# Altium PCB MB1419.PcbDoc (part 4 of 5)
Units mm, origin at the board's own origin, x right, y up, seen from the top; angles counter-clockwise.
Board outline 31 x 41 mm, 8 copper layers (Top Layer, Signal Layer 1, Signal Layer 2, Signal Layer 3, Signal Layer 4, Signal Layer 5, Signal Layer 6, Bottom Layer), stack 1.536 mm thick; 212 components, 125 nets, 637 pads, 2170 vias.
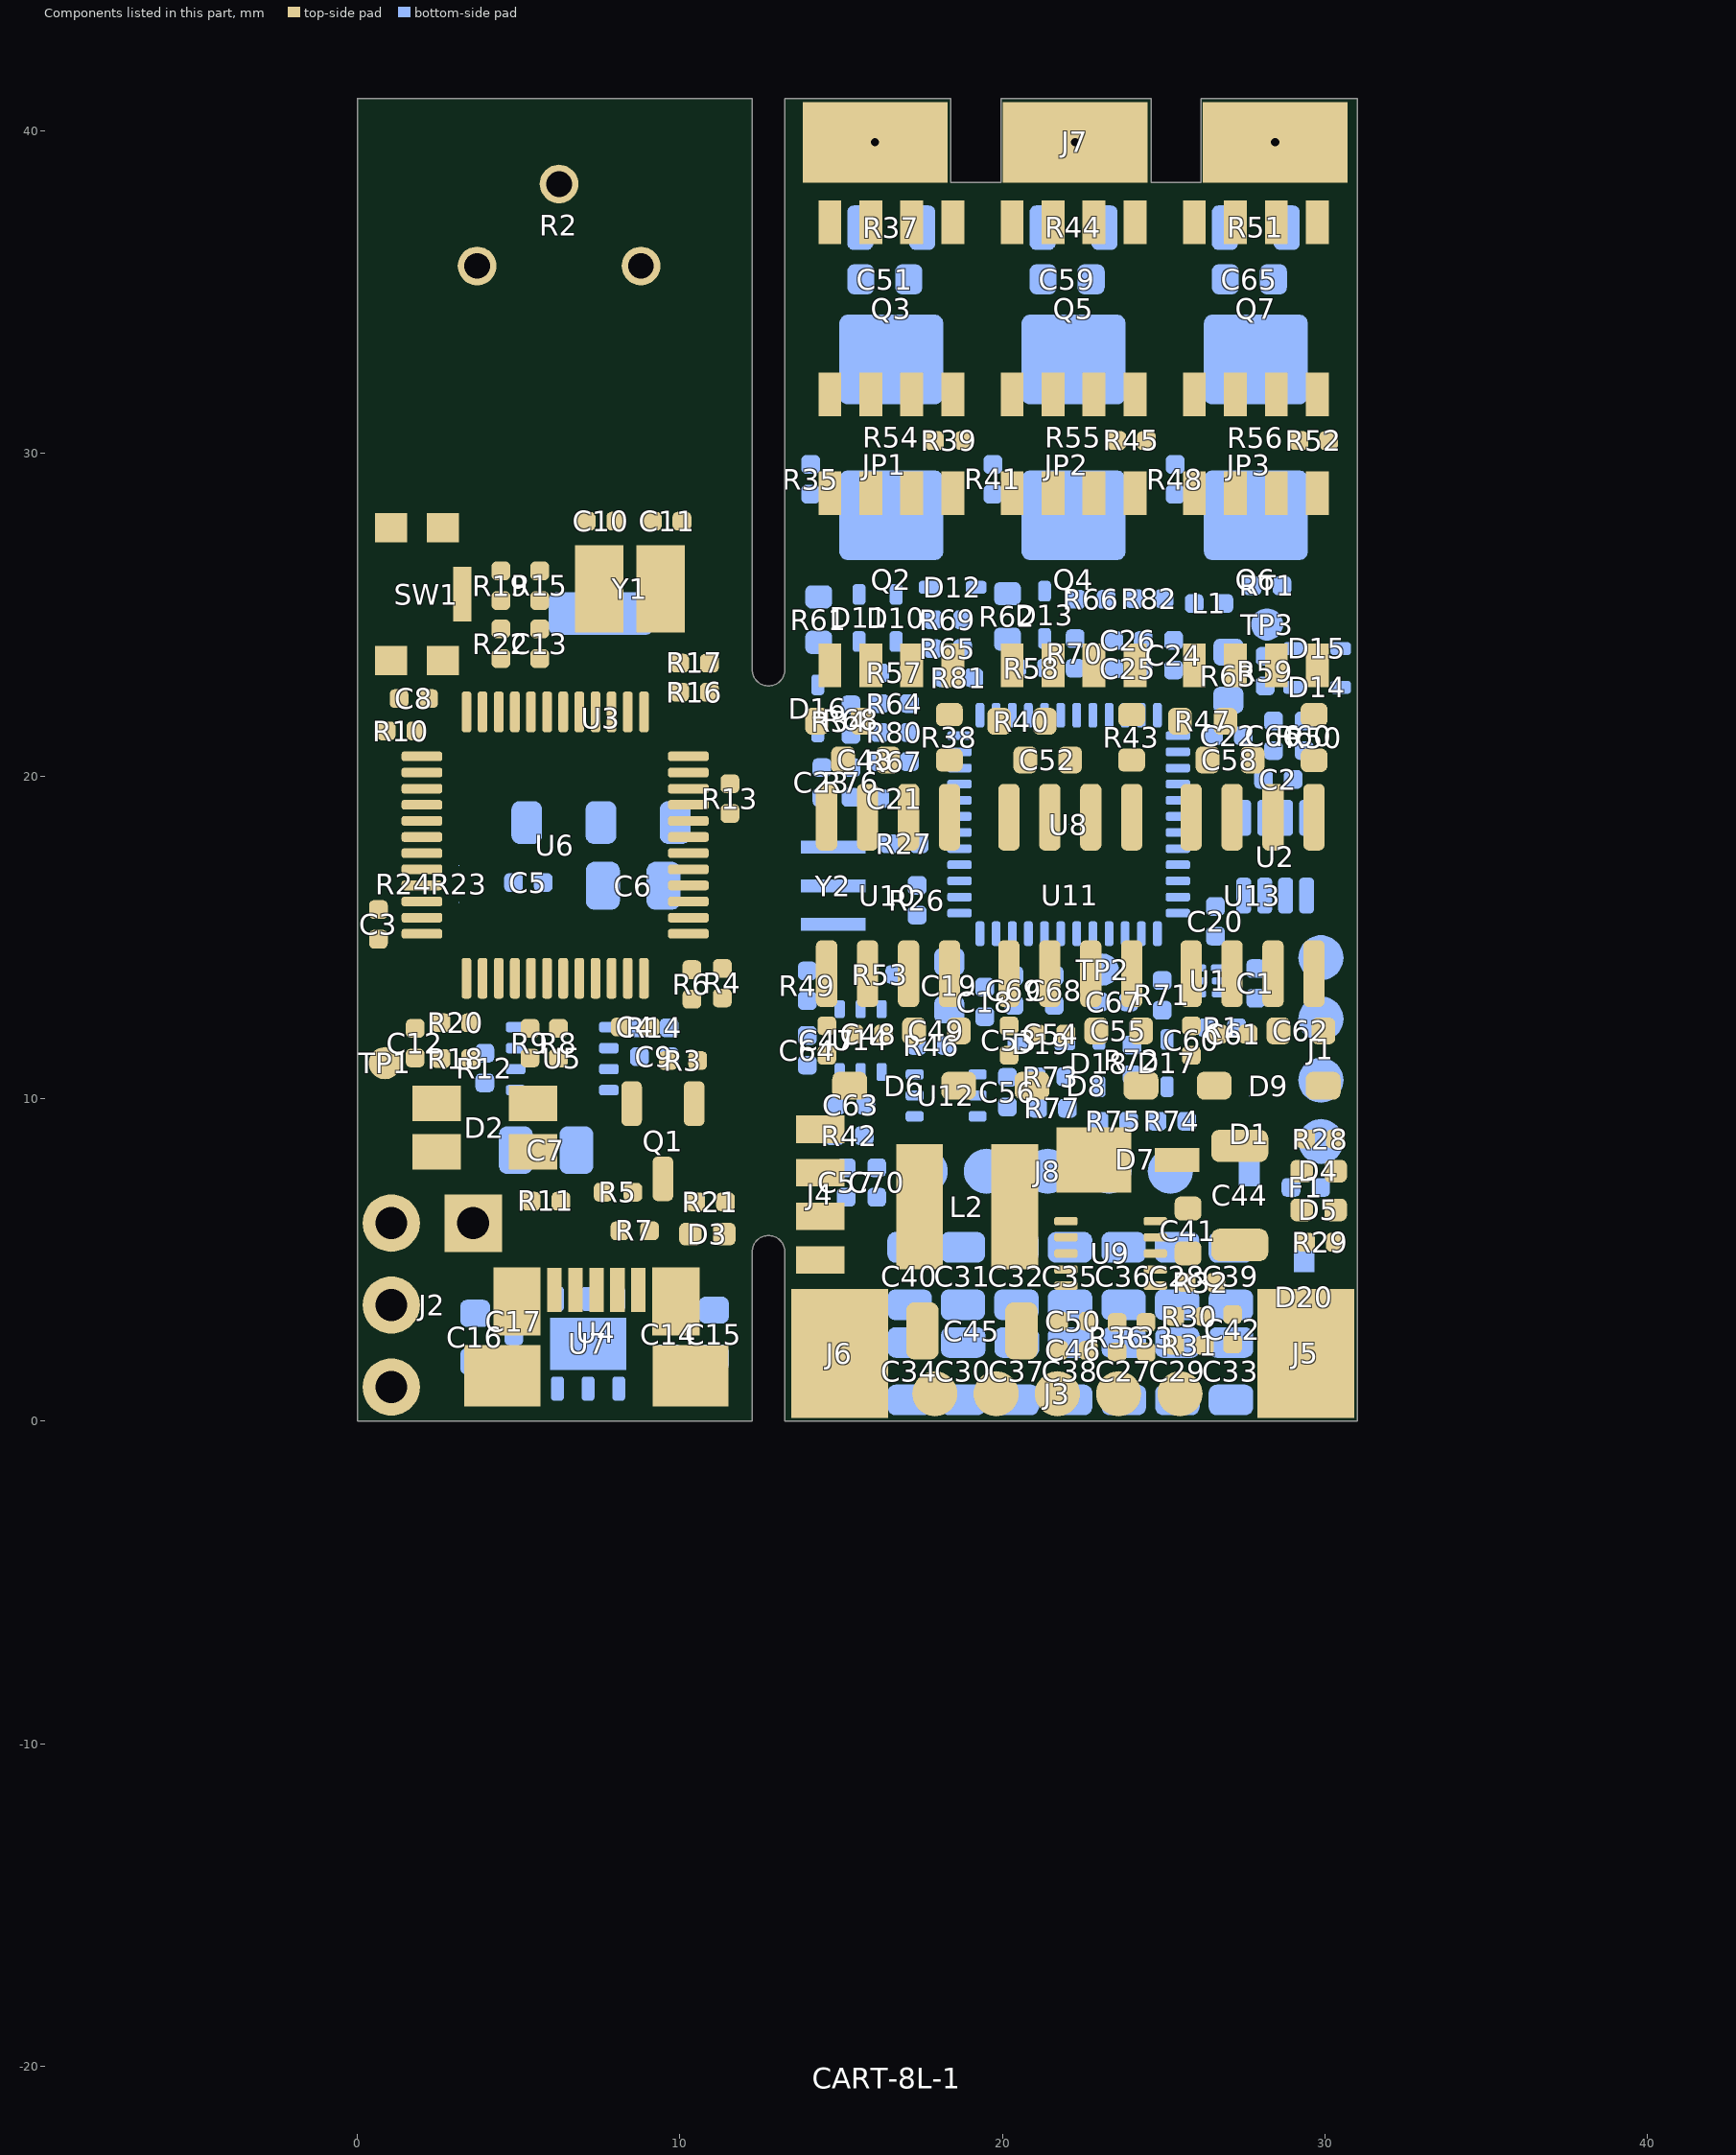
[diagram p10: the components of this part, seen from the top]

## Polygon pours and split planes (outlines as drawn) (continued)
+5V on Bottom Layer "+5V_L08_P072" (solid, pour order 72): 11.5,9.05 12.25,9.05 12.3,9 12.3,8.45 12.25,8.4 11.55,8.4 11.45,8.5 11.45,9 11.5,9.05
+5V on Bottom Layer "+5V_L08_P074" (solid, pour order 74): 13.3,7.7 14.05,7.7 14.2,7.85 14.2,8.75 14,8.95 13.3,8.95 13.2,8.85 13.2,7.8 13.3,7.7
USART2_RX on Top Layer "USART2_RX_L01_P076" (solid, pour order 76): 42 vertices, not listed, extent 21,0.075 22.4,1.575
USART2_RX_ST_LINK on Top Layer "USART2_RX_ST_LINK_L01_P078" (solid, pour order 78): 42 vertices, not listed, extent 19.1,0.075 20.5,1.575
+3.3V on Top Layer "+3.3V_L01_P080" (solid, pour order 80): 13.4,6.75 13.4,5.95 15.55,5.95 15.55,6.75 13.4,6.75
GND on Top Layer "GND_L01_P082" (solid, pour order 82): 24.75,7.8 24.75,8.8 24.95,9 28.05,9 28.15,8.9 28.15,7.9 27.85,7.6 24.95,7.6 24.75,7.8
GND on Top Layer "GND_L01_P084" (solid, pour order 84): 42 vertices, not listed, extent 24.8,0.075 26.2,1.575
GND on Top Layer "GND_L01_P086" (solid, pour order 86): 21.1,3.55 21.1,2.1 21,2 19.85,2 19.75,2.1 19.75,3.5 19.85,3.6 21.05,3.6 21.1,3.55
GND on Top Layer "GND_L01_P088" (solid, pour order 88): 13.375,5.4 13.375,4.6 15.525,4.6 15.525,5.4 13.375,5.4
GND on Top Layer "GND_L01_P090" (solid, pour order 90): 13.35,5.3 13.35,0.1 16.45,0.1 16.45,4.2 15.25,5.4 13.45,5.4 13.35,5.3
NetD7_C on Top Layer "NETD7_C_L01_P092" (solid, pour order 92): 23.95,9.1 21.75,9.1 21.25,8.6 19.65,8.6 19.65,5.6 22.25,5.6 22.25,6.9 22.35,7 23.95,7 23.95,9.1
V+ on Top Layer "V+_L01_P094" (solid, pour order 94): 19 vertices, not listed, extent 24.45,0.1 30.85,7
V+ on Top Layer "V+_L01_P096" (solid, pour order 96): 19.3,27.3 19.3,22.7 25,22.7 25,27.3 19.3,27.3
V+ on Top Layer "V+_L01_P098" (solid, pour order 98): 24.95,27.3 24.95,22.7 30.65,22.7 30.65,27.3 24.95,27.3
V+ on Top Layer "V+_L01_P100" (solid, pour order 100): 13.65,27.3 13.65,22.7 19.35,22.7 19.35,27.3 13.65,27.3
"VSHUNT_2 +" on Top Layer "VSHUNT_2_+_L01_P102" (solid, pour order 102): 19.8,32.8 19.8,30.8 20.3,30.3 23.2,30.3 23.2,32.8 19.8,32.8
T_JTMS on Top Layer "T_JTMS_L01_P104" (solid, pour order 104): 13.4,9.45 13.4,8.65 15.55,8.65 15.55,9.45 13.4,9.45
T_JTCK on Top Layer "T_JTCK_L01_P106" (solid, pour order 106): 13.4,8.1 13.4,7.3 15.55,7.3 15.55,8.1 13.4,8.1
"VSHUNT_3 +" on Top Layer "VSHUNT_3_+_L01_P108" (solid, pour order 108): 25.45,32.8 25.45,30.8 25.95,30.3 28.85,30.3 28.85,32.8 25.45,32.8
"VSHUNT_1 +" on Top Layer "VSHUNT_1_+_L01_P110" (solid, pour order 110): 14.15,32.8 14.15,30.8 14.65,30.3 17.55,30.3 17.55,32.8 14.15,32.8
OUT3 on Top Layer "OUT3_L01_P112" (solid, pour order 112): 25.1,38.25 25.1,33.3 30.75,33.3 30.75,40.9 26.25,40.9 26.25,38.25 25.1,38.25
OUT3 on Top Layer "OUT3_L01_P114" (solid, pour order 114): 26.8,27.9 26.8,29.8 30.15,29.8 30.15,27.9 26.8,27.9
OUT1 on Top Layer "OUT1_L01_P116" (solid, pour order 116): 13.55,40.9 13.55,33.3 19.15,33.3 19.15,38.2 18.25,38.2 18.25,40.9 13.55,40.9
OUT1 on Top Layer "OUT1_L01_P118" (solid, pour order 118): 15.5,27.9 15.5,29.8 18.85,29.8 18.85,27.9 15.5,27.9
OUT2 on Top Layer "OUT2_L01_P120" (solid, pour order 120): 19.5,38.15 19.5,33.3 24.8,33.3 24.8,38.25 24.45,38.25 24.45,38.45 24.45,40.9 20.05,40.9 20.05,38.25 20.05,38.15 19.5,38.15
OUT2 on Top Layer "OUT2_L01_P122" (solid, pour order 122): 21.15,27.9 21.15,29.8 24.5,29.8 24.5,27.9 21.15,27.9
PWM on Top Layer "PWM_L01_P124" (solid, pour order 124): 42 vertices, not listed, extent 22.9,0.075 24.3,1.575
+10V on Top Layer "+10V_L01_P126" (solid, pour order 126): 30 vertices, not listed, extent 16.65,2 30.45,10.7
+5V on Top Layer "+5V_L01_P128" (solid, pour order 128): 42 vertices, not listed, extent 17.2,0.1 18.6,1.6
+3V3_ST_LINK on Signal Layer 5 "+3V3_ST_LINK_L06_P130" (solid, pour order 130): 988 vertices, not listed, extent 0.25,0.2 12.05,40.7
GND on Signal Layer 5 "GND_L06_P134" (solid, pour order 134): 25.7,29.5 30.75,29.5 30.75,26.5 13.45,26.5 13.45,28.1 14.4,28.1 14.4,29.5 18.95,29.5 18.95,28.1 20.05,28.1 20.05,29.5 24.6,29.5 24.6,28.1 25.7,28.1 25.7,29.5
GND on Signal Layer 5 "GND_L06_P136" (solid, pour order 136): 19.55,2.05 21.6,2.05 21.7,2.15 21.7,3.7 21.6,3.8 19.55,3.8 19.45,3.7 19.45,2.15 19.55,2.05
"VSHUNT_2 +" on Signal Layer 5 "VSHUNT_2_+_L06_P138" (solid, pour order 138): 20.4,30.2 23.95,30.2 24.15,30.4 24.15,32.55 24.3,32.7 24.75,32.7 25.05,33 25.05,37 24.85,37.2 20.05,37.2 19.8,36.95 19.8,30.8 20.4,30.2
"VSHUNT_3 +" on Signal Layer 5 "VSHUNT_3_+_L06_P140" (solid, pour order 140): 26.05,30.2 29.6,30.2 29.8,30.4 29.8,32.55 29.95,32.7 30.4,32.7 30.7,33 30.7,37 30.5,37.2 25.65,37.2 25.45,37 25.45,30.8 26.05,30.2
"VSHUNT_1 +" on Signal Layer 5 "VSHUNT_1_+_L06_P142" (solid, pour order 142): 14.75,30.2 18.3,30.2 18.5,30.4 18.5,32.55 18.65,32.7 19.05,32.7 19.35,33 19.35,37 19.15,37.2 14.35,37.2 14.15,37 14.15,30.8 14.75,30.2
+10V on Signal Layer 5 "+10V_L06_P144" (solid, pour order 144): 17.5,8.05 19.4,8.05 20.35,9 20.35,9.45 19.7,10.1 16.9,10.1 16.9,8.65 17.5,8.05
+3.3V on Signal Layer 5 "+3.3V_L06_P132" (solid, pour order 132): 738 vertices, not listed, extent 13.55,5 30.8,26
+3V3_ST_LINK on Signal Layer 1 "+3V3_ST_LINK_L02_P146" (solid, pour order 146): 1106 vertices, not listed, extent 0.25,0.2 12.05,40.7
OUT3 on Signal Layer 1 "OUT3_L02_P150" (solid, pour order 150): 205 vertices, not listed, extent 25.05,27.8 30.75,40.8
OUT1 on Signal Layer 1 "OUT1_L02_P152" (solid, pour order 152): 119 vertices, not listed, extent 13.75,27.8 19.05,40.8
OUT2 on Signal Layer 1 "OUT2_L02_P154" (solid, pour order 154): 150 vertices, not listed, extent 19.4,27.8 24.7,40.8
V+ on Signal Layer 1 "V+_L02_P148" (solid, pour order 148): 13.45,27.1 30.85,27.1 30.85,0.1 16.5,0.1 16.5,5.6 13.45,5.6 13.45,27.1
GND on Signal Layer 4 "GND_L05_P156" (solid, pour order 156): 599 vertices, not listed, extent 0.25,0.2 11.95,40.7
GND on Signal Layer 4 "GND_L05_P158" (solid, remove dead copper, pour order 158): 1190 vertices, not listed, extent 13.45,0.1 30.85,26
GND on Signal Layer 4 "GND_L05_P160" (solid, pour order 160): 15.7,26.35 18.3,26.35 18.5,26.55 18.5,29.1 18.3,29.3 15.7,29.3 15.5,29.1 15.5,26.55 15.7,26.35
GND on Signal Layer 4 "GND_L05_P162" (solid, pour order 162): 21.3,26.35 24,26.35 24.2,26.55 24.2,29.1 24,29.3 21.3,29.3 21.1,29.1 21.1,26.55 21.3,26.35
GND on Signal Layer 4 "GND_L05_P164" (solid, pour order 164): 27,26.35 29.6,26.35 29.8,26.55 29.8,29.1 29.6,29.3 27,29.3 26.8,29.1 26.8,26.55 27,26.35
"VSHUNT_2 +" on Signal Layer 4 "VSHUNT_2_+_L05_P166" (solid, pour order 166): 20.2,30.4 23.85,30.4 24.15,30.7 24.15,32.55 24.3,32.7 24.75,32.7 25.05,33 25.05,37 24.85,37.2 20.05,37.2 19.8,36.95 19.8,30.8 20.2,30.4
"VSHUNT_3 +" on Signal Layer 4 "VSHUNT_3_+_L05_P168" (solid, pour order 168): 25.85,30.4 29.65,30.4 29.8,30.55 29.8,32.55 29.95,32.7 30.4,32.7 30.7,33 30.7,37 30.5,37.2 25.65,37.2 25.45,37 25.45,30.8 25.85,30.4
"VSHUNT_1 +" on Signal Layer 4 "VSHUNT_1_+_L05_P170" (solid, pour order 170): 14.55,30.4 18.35,30.4 18.5,30.55 18.5,32.55 18.65,32.7 19.05,32.7 19.35,33 19.35,37 19.15,37.2 14.35,37.2 14.15,37 14.15,30.8 14.55,30.4
GND on Signal Layer 6 "GND_L07_P172" (solid, pour order 172): 615 vertices, not listed, extent 0.25,0.2 13.55,40.7
GND on Signal Layer 6 "GND_L07_P176" (solid, pour order 176): 25.7,28.1 25.7,29.5 30.75,29.5 30.75,26.5 13.45,26.5 13.45,28.1 14.4,28.1 14.4,29.5 18.95,29.5 18.95,28.1 20.05,28.1 20.05,29.5 24.6,29.5 24.6,28.1 25.7,28.1
"VSHUNT_2 +" on Signal Layer 6 "VSHUNT_2_+_L07_P184" (solid, pour order 184): 20.4,30.2 23.95,30.2 24.15,30.4 24.15,32.55 24.3,32.7 24.75,32.7 25.05,33 25.05,37 24.85,37.2 20.05,37.2 19.8,36.95 19.8,30.8 20.4,30.2
"VSHUNT_3 +" on Signal Layer 6 "VSHUNT_3_+_L07_P186" (solid, pour order 186): 26.05,30.2 29.6,30.2 29.8,30.4 29.8,32.55 29.95,32.7 30.4,32.7 30.7,33 30.7,37 30.5,37.2 25.65,37.2 25.45,37 25.45,30.8 26.05,30.2
"VSHUNT_1 +" on Signal Layer 6 "VSHUNT_1_+_L07_P188" (solid, pour order 188): 14.75,30.2 18.3,30.2 18.5,30.4 18.5,32.55 18.65,32.7 19.05,32.7 19.35,33 19.35,37 19.15,37.2 14.35,37.2 14.15,37 14.15,30.8 14.75,30.2
GND on Signal Layer 6 "GND_L07_P174" (solid, pour order 174): 1099 vertices, not listed, extent 13.45,0.1 30.85,26
GND on Signal Layer 3 "GND_L04_P192" (solid, pour order 192): 1421 vertices, not listed, extent 0.25,0.2 11.95,40.7
GND on Signal Layer 3 "GND_L04_P194" (solid, pour order 194): 1244 vertices, not listed, extent 13.45,0.1 30.85,16.6
GND on Signal Layer 3 "GND_L04_P196" (solid, pour order 196): 15.65,26.35 18.15,26.35 18.35,26.55 18.35,29.15 18.15,29.35 15.65,29.35 15.45,29.15 15.45,26.55 15.65,26.35
GND on Signal Layer 3 "GND_L04_P198" (solid, pour order 198): 21.3,26.35 23.8,26.35 23.95,26.5 23.95,29.2 23.8,29.35 21.3,29.35 21.1,29.15 21.1,26.55 21.3,26.35
GND on Signal Layer 3 "GND_L04_P200" (solid, pour order 200): 27,26.35 29.5,26.35 29.7,26.55 29.7,29.15 29.5,29.35 27,29.35 26.8,29.15 26.8,26.55 27,26.35
GND on Signal Layer 3 "GND_L04_P202" (solid, pour order 202): 149 vertices, not listed, extent 0.25,4.372 2,5.269
GND on Signal Layer 3 "GND_L04_P204" (solid, pour order 204): 120 vertices, not listed, extent 0.25,2.044 2,2.828
"VSHUNT_2 +" on Signal Layer 3 "VSHUNT_2_+_L04_P206" (solid, pour order 206): 20.4,30.2 23.7,30.2 23.9,30.4 23.9,32.55 24.05,32.7 24.75,32.7 25.05,33 25.05,37 24.85,37.2 20.05,37.2 19.8,36.95 19.8,30.8 20.4,30.2
"VSHUNT_3 +" on Signal Layer 3 "VSHUNT_3_+_L04_P208" (solid, pour order 208): 26.05,30.2 29.4,30.2 29.6,30.4 29.6,32.55 29.75,32.7 30.4,32.7 30.7,33 30.7,37 30.5,37.2 25.65,37.2 25.45,37 25.45,30.8 26.05,30.2
"VSHUNT_1 +" on Signal Layer 3 "VSHUNT_1_+_L04_P210" (solid, pour order 210): 14.75,30.2 18.05,30.2 18.25,30.4 18.25,32.55 18.4,32.7 19.05,32.7 19.35,33 19.35,37 19.15,37.2 14.35,37.2 14.15,37 14.15,30.8 14.75,30.2
+10V on Signal Layer 3 "+10V_L04_P190" (solid, pour order 190): 17.75,9.35 18.9,9.35 19.05,9.2 19.05,8.15 18.6,7.7 18.6,2.95 18.45,2.8 17.25,2.8 17.1,2.95 17.1,8.7 17.75,9.35
GND on Signal Layer 2 "GND_L03_P214" (solid, pour order 214): 611 vertices, not listed, extent 0.25,0.2 12.05,40.7
OUT3 on Signal Layer 2 "OUT3_L03_P220" (solid, pour order 220): 125 vertices, not listed, extent 25.05,29.6 30.75,40.9
OUT1 on Signal Layer 2 "OUT1_L03_P222" (solid, pour order 222): 43 vertices, not listed, extent 13.5,29.6 19.15,40.9
OUT2 on Signal Layer 2 "OUT2_L03_P224" (solid, pour order 224): 69 vertices, not listed, extent 19.45,29.6 24.7,40.9
+10V on Signal Layer 2 "+10V_L03_P212" (solid, pour order 212): 17.25,2.25 18.45,2.25 18.6,2.4 18.6,4.1 18.5,4.2 17.4,4.2 17.1,3.9 17.1,2.4 17.25,2.25
GND on Signal Layer 2 "GND_L03_P216" (solid, pour order 216): 222 vertices, not listed, extent 13.45,0.1 30.8,29.35
GND on Signal Layer 2 "GND_L03_P218" (solid, pour order 218): 19.7,2.15 21.35,2.15 21.45,2.25 21.45,3.4 21.35,3.5 19.7,3.5 19.6,3.4 19.6,2.25 19.7,2.15
no net on Bottom Overlay "NONET_L-01_P-001" (none, remove dead copper): 9.414,28.328
no net on Bottom Overlay (solid): 449 vertices, not listed, extent 7.23,5.857 11.498,8.504
no net on Bottom Overlay (solid): 569 vertices, not listed, extent 6.812,4.5 11.069,7.131
no net on Bottom Overlay (solid): 281 vertices, not listed, extent 8.287,5.646 9.263,7.364
no net on Bottom Overlay (solid): 79 vertices, not listed, extent 9.425,5.67 10.13,7.337
no net on Bottom Overlay (solid): 2340 vertices, not listed, extent 3.273,26.067 11.849,34.646
no net on Bottom Overlay (solid): 86 vertices, not listed, extent 9.29,34.903 11.985,39.849
no net on Bottom Overlay (solid): 7.292,37.052 5.743,37.052 5.743,37.801 7.292,37.801 7.292,37.052
no net on Bottom Overlay (solid): 86 vertices, not listed, extent 5.243,34.954 7.939,39.899
no net on Top Overlay (solid): 225 vertices, not listed, extent 3.826,27.949 5.645,29.65
no net on Top Overlay (solid): 256 vertices, not listed, extent 2.412,28.411 7.181,30.488
no net on Top Overlay (solid): 192 vertices, not listed, extent 5.462,27.949 6.836,29.65
no net on Drill Drawing (solid): -80.125,51.535 -80.125,50.621 -79.49,50.621 -79.49,2.462 -80.125,2.462 -80.125,1.548 -76.315,1.548 -76.315,2.462 -76.95,2.462 -76.95,50.621 -76.315,50.621 -76.315,51.535 -80.125,51.535
no net on Drill Drawing (solid): -75.045,51.535 -74.41,43.61 -71.87,43.61 -71.235,51.535 -75.045,51.535
no net on Drill Drawing (solid): -69.965,44.525 -69.33,36.6 -66.79,36.6 -66.155,44.525 -69.965,44.525
no net on Drill Drawing (solid): -64.885,37.514 -64.885,36.6 -64.25,36.6 -64.25,16.483 -64.885,16.483 -64.885,15.569 -61.075,15.569 -61.075,16.483 -61.71,16.483 -61.71,36.6 -61.075,36.6 -61.075,37.514 -64.885,37.514
no net on Drill Drawing (solid): -59.805,8.558 -55.995,8.558 -56.63,16.483 -59.17,16.483 -59.805,8.558
no net on Drill Drawing (solid): -54.725,1.548 -50.915,1.548 -51.55,9.473 -54.09,9.473 -54.725,1.548
no net on Drill Drawing (solid): -49.645,51.535 -49.01,43.61 -46.47,43.61 -45.835,51.535 -49.645,51.535
no net on Drill Drawing (solid): -49.645,44.525 -49.01,36.6 -46.47,36.6 -45.835,44.525 -49.645,44.525
no net on Drill Drawing (solid): -44.565,8.558 -40.755,8.558 -41.39,16.483 -43.93,16.483 -44.565,8.558
no net on Drill Drawing (solid): -44.565,1.548 -40.755,1.548 -41.39,9.473 -43.93,9.473 -44.565,1.548

## Keep-outs
Signal Layer 2:
  region: 25.9,8.9 26.95,8.9 27.25,8.6 27.25,7.85 26.85,7.45 26.2,7.45 25.8,7.85 25.8,8.8
  region: 22.65,6.2 24.05,6.2 24.25,6 24.25,4.45 24,4.2 22.7,4.2 22.4,4.5 22.4,5.95
  lines w0.127: 19.525,2.225 19.525,3.42 19.67,3.565 21.38,3.565 21.525,3.42 21.525,2.225 21.38,2.08 19.67,2.08 19.525,2.225

## Other copper
Top Layer:
  drawing of 204 lines, arcs and shapes, not listed
  text "1" at 0.575,38 h1.3 r270
Signal Layer 1:
  pour cut-out: 11.839,27.9 11.802,28.087 11.696,28.246 11.537,28.352 11.35,28.389 11.163,28.352 11.004,28.246 10.898,28.087 10.861,27.9 10.898,27.713 11.004,27.554 11.163,27.448 11.35,27.411 11.537,27.448 11.696,27.554 11.802,27.713 11.839,27.9
  pour cut-out: 11.839,24.75 11.802,24.937 11.696,25.096 11.537,25.202 11.35,25.239 11.163,25.202 11.004,25.096 10.898,24.937 10.861,24.75 10.898,24.563 11.004,24.404 11.163,24.298 11.35,24.261 11.537,24.298 11.696,24.404 11.802,24.563 11.839,24.75
  pour cut-out: 11.226,22.1 11.202,22.221 11.134,22.324 11.031,22.392 10.91,22.416 10.789,22.392 10.686,22.324 10.618,22.221 10.594,22.1 10.618,21.979 10.686,21.876 10.789,21.808 10.91,21.784 11.031,21.808 11.134,21.876 11.202,21.979 11.226,22.1
  pour cut-out: 11.866,20.35 11.842,20.471 11.774,20.574 11.671,20.642 11.55,20.666 11.429,20.642 11.326,20.574 11.258,20.471 11.234,20.35 11.258,20.229 11.326,20.126 11.429,20.058 11.55,20.034 11.671,20.058 11.774,20.126 11.842,20.229 11.866,20.35
  pour cut-out: 10.989,6.65 10.952,6.837 10.846,6.996 10.687,7.102 10.5,7.139 10.313,7.102 10.154,6.996 10.048,6.837 10.011,6.65 10.048,6.463 10.154,6.304 10.313,6.198 10.5,6.161 10.687,6.198 10.846,6.304 10.952,6.463 10.989,6.65
  pour cut-out: 9.539,20.55 9.502,20.737 9.396,20.896 9.237,21.002 9.05,21.039 8.863,21.002 8.704,20.896 8.598,20.737 8.561,20.55 8.598,20.363 8.704,20.204 8.863,20.098 9.05,20.061 9.237,20.098 9.396,20.204 9.502,20.363 9.539,20.55
  pour cut-out: 8.466,11.7 8.442,11.821 8.374,11.924 8.271,11.992 8.15,12.016 8.029,11.992 7.926,11.924 7.858,11.821 7.834,11.7 7.858,11.579 7.926,11.476 8.029,11.408 8.15,11.384 8.271,11.408 8.374,11.476 8.442,11.579 8.466,11.7
  pour cut-out: 8.196,12.88 8.172,13.001 8.104,13.104 8.001,13.172 7.88,13.196 7.759,13.172 7.656,13.104 7.588,13.001 7.564,12.88 7.588,12.759 7.656,12.656 7.759,12.588 7.88,12.564 8.001,12.588 8.104,12.656 8.172,12.759 8.196,12.88
  pour cut-out: 7.516,15.11 7.492,15.231 7.424,15.334 7.321,15.402 7.2,15.426 7.079,15.402 6.976,15.334 6.908,15.231 6.884,15.11 6.908,14.989 6.976,14.886 7.079,14.818 7.2,14.794 7.321,14.818 7.424,14.886 7.492,14.989 7.516,15.11
  pour cut-out: 7.158,38.355 7.127,38.59 7.036,38.809 6.892,38.997 6.704,39.141 6.485,39.232 6.25,39.263 6.015,39.232 5.796,39.141 5.608,38.997 5.464,38.809 5.373,38.59 5.342,38.355 5.373,38.12 5.464,37.901 5.608,37.713 5.796,37.569 6.015,37.478 6.25,37.447 6.485,37.478 6.704,37.569 6.892,37.713 7.036,37.901 7.127,38.12 7.158,38.355
  pour cut-out: 5.696,22.88 5.672,23.001 5.604,23.104 5.501,23.172 5.38,23.196 5.259,23.172 5.156,23.104 5.088,23.001 5.064,22.88 5.088,22.759 5.156,22.656 5.259,22.588 5.38,22.564 5.501,22.588 5.604,22.656 5.672,22.759 5.696,22.88
  pour cut-out: 6.489,17.45 6.452,17.637 6.346,17.796 6.187,17.902 6,17.939 5.813,17.902 5.654,17.796 5.548,17.637 5.511,17.45 5.548,17.263 5.654,17.104 5.813,16.998 6,16.961 6.187,16.998 6.346,17.104 6.452,17.263 6.489,17.45
  pour cut-out: 5.356,24.56 5.332,24.681 5.264,24.784 5.161,24.852 5.04,24.876 4.919,24.852 4.816,24.784 4.748,24.681 4.724,24.56 4.748,24.439 4.816,24.336 4.919,24.268 5.04,24.244 5.161,24.268 5.264,24.336 5.332,24.439 5.356,24.56
  pour cut-out: 4.689,11.8 4.652,11.987 4.546,12.146 4.387,12.252 4.2,12.289 4.013,12.252 3.854,12.146 3.748,11.987 3.711,11.8 3.748,11.613 3.854,11.454 4.013,11.348 4.2,11.311 4.387,11.348 4.546,11.454 4.652,11.613 4.689,11.8
  pour cut-out: 4.618,35.815 4.587,36.05 4.496,36.269 4.352,36.457 4.164,36.601 3.945,36.692 3.71,36.723 3.475,36.692 3.256,36.601 3.068,36.457 2.924,36.269 2.833,36.05 2.802,35.815 2.833,35.58 2.924,35.361 3.068,35.173 3.256,35.029 3.475,34.938 3.71,34.907 3.945,34.938 4.164,35.029 4.352,35.173 4.496,35.361 4.587,35.58 4.618,35.815
  pour cut-out: 3.739,20.3 3.702,20.487 3.596,20.646 3.437,20.752 3.25,20.789 3.063,20.752 2.904,20.646 2.798,20.487 2.761,20.3 2.798,20.113 2.904,19.954 3.063,19.848 3.25,19.811 3.437,19.848 3.596,19.954 3.702,20.113 3.739,20.3
  pour cut-out: 3.016,22.4 2.992,22.521 2.924,22.624 2.821,22.692 2.7,22.716 2.579,22.692 2.476,22.624 2.408,22.521 2.384,22.4 2.408,22.279 2.476,22.176 2.579,22.108 2.7,22.084 2.821,22.108 2.924,22.176 2.992,22.279 3.016,22.4
  pour cut-out: 3.439,1.1 3.402,1.287 3.296,1.446 3.137,1.552 2.95,1.589 2.763,1.552 2.604,1.446 2.498,1.287 2.461,1.1 2.498,0.913 2.604,0.754 2.763,0.648 2.95,0.611 3.137,0.648 3.296,0.754 3.402,0.913 3.439,1.1
  pour cut-out: 2.116,12.65 2.092,12.771 2.024,12.874 1.921,12.942 1.8,12.966 1.679,12.942 1.576,12.874 1.508,12.771 1.484,12.65 1.508,12.529 1.576,12.426 1.679,12.358 1.8,12.334 1.921,12.358 2.024,12.426 2.092,12.529 2.116,12.65
  pour cut-out: 1.166,22.4 1.142,22.521 1.074,22.624 0.971,22.692 0.85,22.716 0.729,22.692 0.626,22.624 0.558,22.521 0.534,22.4 0.558,22.279 0.626,22.176 0.729,22.108 0.85,22.084 0.971,22.108 1.074,22.176 1.142,22.279 1.166,22.4
  pour cut-out: 1.739,9.85 1.702,10.037 1.596,10.196 1.437,10.302 1.25,10.339 1.063,10.302 0.904,10.196 0.798,10.037 0.761,9.85 0.798,9.663 0.904,9.504 1.063,9.398 1.25,9.361 1.437,9.398 1.596,9.504 1.702,9.663 1.739,9.85
  pour cut-out: 1.339,20.6 1.302,20.787 1.196,20.946 1.037,21.052 0.85,21.089 0.663,21.052 0.504,20.946 0.398,20.787 0.361,20.6 0.398,20.413 0.504,20.254 0.663,20.148 0.85,20.111 1.037,20.148 1.196,20.254 1.302,20.413 1.339,20.6
  pour cut-out: 1.339,12.9 1.302,13.087 1.196,13.246 1.037,13.352 0.85,13.389 0.663,13.352 0.504,13.246 0.398,13.087 0.361,12.9 0.398,12.713 0.504,12.554 0.663,12.448 0.85,12.411 1.037,12.448 1.196,12.554 1.302,12.713 1.339,12.9
  pour cut-out: 1.939,14.3 1.902,14.487 1.796,14.646 1.637,14.752 1.45,14.789 1.263,14.752 1.104,14.646 0.998,14.487 0.961,14.3 0.998,14.113 1.104,13.954 1.263,13.848 1.45,13.811 1.637,13.848 1.796,13.954 1.902,14.113 1.939,14.3
  pour cut-out: 3.089,14.501 3.052,14.688 2.946,14.846 2.787,14.952 2.6,14.99 2.413,14.952 2.254,14.846 2.148,14.688 2.111,14.501 2.148,14.313 2.254,14.155 2.413,14.049 2.6,14.012 2.787,14.049 2.946,14.155 3.052,14.313 3.089,14.501
  pour cut-out: 29.33,11.205 29.293,11.393 29.187,11.551 29.028,11.657 28.841,11.694 28.654,11.657 28.495,11.551 28.389,11.393 28.352,11.205 28.389,11.018 28.495,10.86 28.654,10.754 28.841,10.717 29.028,10.754 29.187,10.86 29.293,11.018 29.33,11.205
  pour cut-out: 29.216,8.75 29.192,8.871 29.124,8.974 29.021,9.042 28.9,9.066 28.779,9.042 28.676,8.974 28.608,8.871 28.584,8.75 28.608,8.629 28.676,8.526 28.779,8.458 28.9,8.434 29.021,8.458 29.124,8.526 29.192,8.629 29.216,8.75
  pour cut-out: 29.166,5.55 29.142,5.671 29.074,5.774 28.971,5.842 28.85,5.866 28.729,5.842 28.626,5.774 28.558,5.671 28.534,5.55 28.558,5.429 28.626,5.326 28.729,5.258 28.85,5.234 28.971,5.258 29.074,5.326 29.142,5.429 29.166,5.55
  pour cut-out: 27.926,12 27.902,12.121 27.834,12.224 27.731,12.292 27.61,12.316 27.489,12.292 27.386,12.224 27.318,12.121 27.294,12 27.318,11.879 27.386,11.776 27.489,11.708 27.61,11.684 27.731,11.708 27.834,11.776 27.902,11.879 27.926,12
  pour cut-out: 26.466,12.55 26.442,12.671 26.374,12.774 26.271,12.842 26.15,12.866 26.029,12.842 25.926,12.774 25.858,12.671 25.834,12.55 25.858,12.429 25.926,12.326 26.029,12.258 26.15,12.234 26.271,12.258 26.374,12.326 26.442,12.429 26.466,12.55
  pour cut-out: 27.039,11.3 27.002,11.487 26.896,11.646 26.737,11.752 26.55,11.789 26.363,11.752 26.204,11.646 26.098,11.487 26.061,11.3 26.098,11.113 26.204,10.954 26.363,10.848 26.55,10.811 26.737,10.848 26.896,10.954 27.002,11.113 27.039,11.3
  pour cut-out: 24.611,12.1 24.587,12.221 24.519,12.324 24.416,12.392 24.295,12.416 24.174,12.392 24.071,12.324 24.003,12.221 23.979,12.1 24.003,11.979 24.071,11.876 24.174,11.808 24.295,11.784 24.416,11.808 24.519,11.876 24.587,11.979 24.611,12.1
  pour cut-out: 24.666,1.5 24.642,1.621 24.574,1.724 24.471,1.792 24.35,1.816 24.229,1.792 24.126,1.724 24.058,1.621 24.034,1.5 24.058,1.379 24.126,1.276 24.229,1.208 24.35,1.184 24.471,1.208 24.574,1.276 24.642,1.379 24.666,1.5
  pour cut-out: 22.276,12 22.252,12.121 22.184,12.224 22.081,12.292 21.96,12.316 21.839,12.292 21.736,12.224 21.668,12.121 21.644,12 21.668,11.879 21.736,11.776 21.839,11.708 21.96,11.684 22.081,11.708 22.184,11.776 22.252,11.879 22.276,12
  pour cut-out: 21.766,1.087 21.742,1.208 21.674,1.311 21.571,1.379 21.45,1.403 21.329,1.379 21.226,1.311 21.158,1.208 21.134,1.087 21.158,0.966 21.226,0.863 21.329,0.795 21.45,0.771 21.571,0.795 21.674,0.863 21.742,0.966 21.766,1.087
  pour cut-out: 20.866,12.6 20.842,12.721 20.774,12.824 20.671,12.892 20.55,12.916 20.429,12.892 20.326,12.824 20.258,12.721 20.234,12.6 20.258,12.479 20.326,12.376 20.429,12.308 20.55,12.284 20.671,12.308 20.774,12.376 20.842,12.479 20.866,12.6
  pour cut-out: 20.466,11.35 20.442,11.471 20.374,11.574 20.271,11.642 20.15,11.666 20.029,11.642 19.926,11.574 19.858,11.471 19.834,11.35 19.858,11.229 19.926,11.126 20.029,11.058 20.15,11.034 20.271,11.058 20.374,11.126 20.442,11.229 20.466,11.35
  pour cut-out: 20.616,1.25 20.592,1.371 20.524,1.474 20.421,1.542 20.3,1.566 20.179,1.542 20.076,1.474 20.008,1.371 19.984,1.25 20.008,1.129 20.076,1.026 20.179,0.958 20.3,0.934 20.421,0.958 20.524,1.026 20.592,1.129 20.616,1.25
  pour cut-out: 19.239,11.6 19.202,11.787 19.096,11.946 18.937,12.052 18.75,12.089 18.563,12.052 18.404,11.946 18.298,11.787 18.261,11.6 18.298,11.413 18.404,11.254 18.563,11.148 18.75,11.111 18.937,11.148 19.096,11.254 19.202,11.413 19.239,11.6
  pour cut-out: 16.626,11.8 16.602,11.921 16.534,12.024 16.431,12.092 16.31,12.116 16.189,12.092 16.086,12.024 16.018,11.921 15.994,11.8 16.018,11.679 16.086,11.576 16.189,11.508 16.31,11.484 16.431,11.508 16.534,11.576 16.602,11.679 16.626,11.8
  pour cut-out: 15.466,7.45 15.442,7.571 15.374,7.674 15.271,7.742 15.15,7.766 15.029,7.742 14.926,7.674 14.858,7.571 14.834,7.45 14.858,7.329 14.926,7.226 15.029,7.158 15.15,7.134 15.271,7.158 15.374,7.226 15.442,7.329 15.466,7.45
  text "2" at 0.575,37.375 h1.3 r270
Signal Layer 2:
  pour cut-out: 28.546,18.539 28.509,18.726 28.403,18.884 28.244,18.99 28.057,19.028 27.87,18.99 27.711,18.884 27.605,18.726 27.568,18.539 27.605,18.351 27.711,18.193 27.87,18.087 28.057,18.05 28.244,18.087 28.403,18.193 28.509,18.351 28.546,18.539
  pour cut-out: 27.939,17.3 27.902,17.487 27.796,17.646 27.637,17.752 27.45,17.789 27.263,17.752 27.104,17.646 26.998,17.487 26.961,17.3 26.998,17.113 27.104,16.954 27.263,16.848 27.45,16.811 27.637,16.848 27.796,16.954 27.902,17.113 27.939,17.3
  pour cut-out: 26.939,24.05 26.902,24.237 26.796,24.396 26.637,24.502 26.45,24.539 26.263,24.502 26.104,24.396 25.998,24.237 25.961,24.05 25.998,23.863 26.104,23.704 26.263,23.598 26.45,23.561 26.637,23.598 26.796,23.704 26.902,23.863 26.939,24.05
  pour cut-out: 27.016,11.3 26.98,11.478 26.879,11.629 26.728,11.73 26.55,11.766 26.372,11.73 26.221,11.629 26.12,11.478 26.084,11.3 26.12,11.122 26.221,10.971 26.372,10.87 26.55,10.834 26.728,10.87 26.879,10.971 26.98,11.122 27.016,11.3
  pour cut-out: 26.718,17.884 26.681,18.071 26.575,18.229 26.417,18.335 26.229,18.373 26.042,18.335 25.884,18.229 25.778,18.071 25.74,17.884 25.778,17.696 25.884,17.538 26.042,17.432 26.229,17.395 26.417,17.432 26.575,17.538 26.681,17.696 26.718,17.884
  pour cut-out: 26.589,16.75 26.552,16.937 26.446,17.096 26.287,17.202 26.1,17.239 25.913,17.202 25.754,17.096 25.648,16.937 25.611,16.75 25.648,16.563 25.754,16.404 25.913,16.298 26.1,16.261 26.287,16.298 26.446,16.404 26.552,16.563 26.589,16.75
  pour cut-out: 25.673,28.765 25.635,28.952 25.529,29.111 25.371,29.217 25.184,29.254 24.996,29.217 24.838,29.111 24.732,28.952 24.695,28.765 24.732,28.578 24.838,28.419 24.996,28.313 25.184,28.276 25.371,28.313 25.529,28.419 25.635,28.578 25.673,28.765
  pour cut-out: 23.379,24.51 23.342,24.697 23.236,24.856 23.077,24.962 22.89,24.999 22.703,24.962 22.544,24.856 22.438,24.697 22.401,24.51 22.438,24.323 22.544,24.164 22.703,24.058 22.89,24.021 23.077,24.058 23.236,24.164 23.342,24.323 23.379,24.51
  pour cut-out: 23.889,13.5 23.852,13.687 23.746,13.846 23.587,13.952 23.4,13.989 23.213,13.952 23.054,13.846 22.948,13.687 22.911,13.5 22.948,13.313 23.054,13.154 23.213,13.048 23.4,13.011 23.587,13.048 23.746,13.154 23.852,13.313 23.889,13.5
  pour cut-out: 23.189,22.8 23.152,22.987 23.046,23.146 22.887,23.252 22.7,23.289 22.513,23.252 22.354,23.146 22.248,22.987 22.211,22.8 22.248,22.613 22.354,22.454 22.513,22.348 22.7,22.311 22.887,22.348 23.046,22.454 23.152,22.613 23.189,22.8
  pour cut-out: 22.289,25 22.252,25.187 22.146,25.346 21.987,25.452 21.8,25.489 21.613,25.452 21.454,25.346 21.348,25.187 21.311,25 21.348,24.813 21.454,24.654 21.613,24.548 21.8,24.511 21.987,24.548 22.146,24.654 22.252,24.813 22.289,25
  pour cut-out: 22.468,14.1 22.431,14.287 22.325,14.446 22.167,14.552 21.979,14.589 21.792,14.552 21.634,14.446 21.528,14.287 21.49,14.1 21.528,13.913 21.634,13.754 21.792,13.648 21.979,13.611 22.167,13.648 22.325,13.754 22.431,13.913 22.468,14.1
  pour cut-out: 20.834,25.055 20.797,25.242 20.691,25.401 20.532,25.507 20.345,25.544 20.158,25.507 19.999,25.401 19.893,25.242 19.856,25.055 19.893,24.868 19.999,24.709 20.158,24.603 20.345,24.566 20.532,24.603 20.691,24.709 20.797,24.868 20.834,25.055
  pour cut-out: 20.023,28.765 19.985,28.952 19.879,29.111 19.721,29.217 19.534,29.254 19.346,29.217 19.188,29.111 19.082,28.952 19.045,28.765 19.082,28.578 19.188,28.419 19.346,28.313 19.534,28.276 19.721,28.313 19.879,28.419 19.985,28.578 20.023,28.765
  pour cut-out: 20.289,14.3 20.252,14.487 20.146,14.646 19.987,14.752 19.8,14.789 19.613,14.752 19.454,14.646 19.348,14.487 19.311,14.3 19.348,14.113 19.454,13.954 19.613,13.848 19.8,13.811 19.987,13.848 20.146,13.954 20.252,14.113 20.289,14.3
  pour cut-out: 19.339,25.25 19.302,25.437 19.196,25.596 19.037,25.702 18.85,25.739 18.663,25.702 18.504,25.596 18.398,25.437 18.361,25.25 18.398,25.063 18.504,24.904 18.663,24.798 18.85,24.761 19.037,24.798 19.196,24.904 19.302,25.063 19.339,25.25
  pour cut-out: 19.216,11.6 19.18,11.778 19.079,11.929 18.928,12.03 18.75,12.066 18.572,12.03 18.421,11.929 18.32,11.778 18.284,11.6 18.32,11.422 18.421,11.271 18.572,11.17 18.75,11.134 18.928,11.17 19.079,11.271 19.18,11.422 19.216,11.6
  pour cut-out: 18.289,20.75 18.252,20.937 18.146,21.096 17.987,21.202 17.8,21.239 17.613,21.202 17.454,21.096 17.348,20.937 17.311,20.75 17.348,20.563 17.454,20.404 17.613,20.298 17.8,20.261 17.987,20.298 18.146,20.404 18.252,20.563 18.289,20.75
  pour cut-out: 18.139,16 18.102,16.187 17.996,16.346 17.837,16.452 17.65,16.489 17.463,16.452 17.304,16.346 17.198,16.187 17.161,16 17.198,15.813 17.304,15.654 17.463,15.548 17.65,15.511 17.837,15.548 17.996,15.654 18.102,15.813 18.139,16
  pour cut-out: 16.039,20.55 16.002,20.737 15.896,20.896 15.737,21.002 15.55,21.039 15.363,21.002 15.204,20.896 15.098,20.737 15.061,20.55 15.098,20.363 15.204,20.204 15.363,20.098 15.55,20.061 15.737,20.098 15.896,20.204 16.002,20.363 16.039,20.55
  pour cut-out: 15.439,23.2 15.402,23.387 15.296,23.546 15.137,23.652 14.95,23.689 14.763,23.652 14.604,23.546 14.498,23.387 14.461,23.2 14.498,23.013 14.604,22.854 14.763,22.748 14.95,22.711 15.137,22.748 15.296,22.854 15.402,23.013 15.439,23.2
  pour cut-out: 15.039,25.05 15.002,25.237 14.896,25.396 14.737,25.502 14.55,25.539 14.363,25.502 14.204,25.396 14.098,25.237 14.061,25.05 14.098,24.863 14.204,24.704 14.363,24.598 14.55,24.561 14.737,24.598 14.896,24.704 15.002,24.863 15.039,25.05
  pour cut-out: 10.989,6.65 10.952,6.837 10.846,6.996 10.687,7.102 10.5,7.139 10.313,7.102 10.154,6.996 10.048,6.837 10.011,6.65 10.048,6.463 10.154,6.304 10.313,6.198 10.5,6.161 10.687,6.198 10.846,6.304 10.952,6.463 10.989,6.65
  pour cut-out: 9.539,20.55 9.502,20.737 9.396,20.896 9.237,21.002 9.05,21.039 8.863,21.002 8.704,20.896 8.598,20.737 8.561,20.55 8.598,20.363 8.704,20.204 8.863,20.098 9.05,20.061 9.237,20.098 9.396,20.204 9.502,20.363 9.539,20.55
  pour cut-out: 9.911,14.581 9.874,14.768 9.768,14.926 9.609,15.032 9.422,15.07 9.235,15.032 9.076,14.926 8.97,14.768 8.933,14.581 8.97,14.393 9.076,14.235 9.235,14.129 9.422,14.092 9.609,14.129 9.768,14.235 9.874,14.393 9.911,14.581
  pour cut-out: 9.698,35.815 9.667,36.05 9.576,36.269 9.432,36.457 9.244,36.601 9.025,36.692 8.79,36.723 8.555,36.692 8.336,36.601 8.148,36.457 8.004,36.269 7.913,36.05 7.882,35.815 7.913,35.58 8.004,35.361 8.148,35.173 8.336,35.029 8.555,34.938 8.79,34.907 9.025,34.938 9.244,35.029 9.432,35.173 9.576,35.361 9.667,35.58 9.698,35.815
  pour cut-out: 7.158,38.355 7.127,38.59 7.036,38.809 6.892,38.997 6.704,39.141 6.485,39.232 6.25,39.263 6.015,39.232 5.796,39.141 5.608,38.997 5.464,38.809 5.373,38.59 5.342,38.355 5.373,38.12 5.464,37.901 5.608,37.713 5.796,37.569 6.015,37.478 6.25,37.447 6.485,37.478 6.704,37.569 6.892,37.713 7.036,37.901 7.127,38.12 7.158,38.355
  pour cut-out: 5.966,26.85 5.942,26.971 5.874,27.074 5.771,27.142 5.65,27.166 5.529,27.142 5.426,27.074 5.358,26.971 5.334,26.85 5.358,26.729 5.426,26.626 5.529,26.558 5.65,26.534 5.771,26.558 5.874,26.626 5.942,26.729 5.966,26.85
  pour cut-out: 4.689,11.8 4.652,11.987 4.546,12.146 4.387,12.252 4.2,12.289 4.013,12.252 3.854,12.146 3.748,11.987 3.711,11.8 3.748,11.613 3.854,11.454 4.013,11.348 4.2,11.311 4.387,11.348 4.546,11.454 4.652,11.613 4.689,11.8
  pour cut-out: 4.544,35.815 4.516,36.031 4.433,36.232 4.3,36.405 4.127,36.538 3.926,36.621 3.71,36.649 3.494,36.621 3.293,36.538 3.12,36.405 2.987,36.232 2.904,36.031 2.876,35.815 2.904,35.599 2.987,35.398 3.12,35.225 3.293,35.092 3.494,35.009 3.71,34.981 3.926,35.009 4.127,35.092 4.3,35.225 4.433,35.398 4.516,35.599 4.544,35.815
  pour cut-out: 3.739,20.3 3.702,20.487 3.596,20.646 3.437,20.752 3.25,20.789 3.063,20.752 2.904,20.646 2.798,20.487 2.761,20.3 2.798,20.113 2.904,19.954 3.063,19.848 3.25,19.811 3.437,19.848 3.596,19.954 3.702,20.113 3.739,20.3
  pour cut-out: 1.339,20.6 1.302,20.787 1.196,20.946 1.037,21.052 0.85,21.089 0.663,21.052 0.504,20.946 0.398,20.787 0.361,20.6 0.398,20.413 0.504,20.254 0.663,20.148 0.85,20.111 1.037,20.148 1.196,20.254 1.302,20.413 1.339,20.6
  pour cut-out: 1.939,14.3 1.902,14.487 1.796,14.646 1.637,14.752 1.45,14.789 1.263,14.752 1.104,14.646 0.998,14.487 0.961,14.3 0.998,14.113 1.104,13.954 1.263,13.848 1.45,13.811 1.637,13.848 1.796,13.954 1.902,14.113 1.939,14.3
  pour cut-out: 3.089,14.501 3.052,14.688 2.946,14.846 2.787,14.952 2.6,14.99 2.413,14.952 2.254,14.846 2.148,14.688 2.111,14.501 2.148,14.313 2.254,14.155 2.413,14.049 2.6,14.012 2.787,14.049 2.946,14.155 3.052,14.313 3.089,14.501
  pour cut-out: 23.633,11.626 cw(c24.09,11.626) 23.661,11.784 ccw(c23.566,11.819) 23.563,11.921 24.028,12.442 ccw(c24.129,12.452) 24.172,12.36 cw(c24.295,12.1) 24.295,12.387 cw(c24.295,12.1) 24.582,12.1 cw(c24.295,12.1) 24.522,11.924 24.522,11.772 24.525,11.765 cw(c24.09,11.626) 24.546,11.626 cw(c24.09,11.626)
  pour cut-out: 19.855,11.512 ccw(c19.855,11.055) 20.312,11.055 ccw(c19.855,11.055) 20.308,11.112 ccw(c20.155,11.355) 20.442,11.355 ccw(c20.155,11.355) 19.912,11.508 ccw(c19.855,11.055)
  pour cut-out: 14.833,12 ccw(c15.29,12) 15.29,11.543 ccw(c15.29,12) 15.747,12 ccw(c15.29,12) 15.29,12.457 ccw(c15.29,12)
  pour cut-out: 18.023,16.65 18.023,16.829 cw(c18.2,17.25) 17.743,17.25 cw(c18.2,17.25) 18.2,17.707 cw(c18.2,17.25) 18.656,17.275 18.657,17.256 18.677,17.235 18.677,16.65 cw(c18.35,16.65)
  pour cut-out: 23.673,16.65 ccw(c24,16.65) 24.327,16.65 24.327,17.131 ccw(c24,17.45) 24.457,17.45 ccw(c24,17.45) 23.543,17.45 ccw(c24,17.45) 23.673,17.131
  pour cut-out: 29.323,16.65 ccw(c29.65,16.65) 29.977,16.65 29.977,17.131 ccw(c29.65,17.45) 30.107,17.45 ccw(c29.65,17.45) 29.193,17.45 ccw(c29.65,17.45) 29.323,17.131
  pour cut-out: 28.384,11.205 ccw(c28.841,11.205) 28.841,10.749 ccw(c28.841,11.205) 29.298,11.205 ccw(c28.841,11.205) 28.841,11.662 ccw(c28.841,11.205)
  text "3" at 0.575,36.5 h1.3 r270
Signal Layer 3:
  pour cut-out: 29.33,11.205 29.293,11.393 29.187,11.551 29.028,11.657 28.841,11.694 28.654,11.657 28.495,11.551 28.389,11.393 28.352,11.205 28.389,11.018 28.495,10.86 28.654,10.754 28.841,10.717 29.028,10.754 29.187,10.86 29.293,11.018 29.33,11.205
  pour cut-out: 28.939,8.75 28.902,8.937 28.796,9.096 28.637,9.202 28.45,9.239 28.263,9.202 28.104,9.096 27.998,8.937 27.961,8.75 27.998,8.563 28.104,8.404 28.263,8.298 28.45,8.261 28.637,8.298 28.796,8.404 28.902,8.563 28.939,8.75
  pour cut-out: 29.789,5.55 29.752,5.737 29.646,5.896 29.487,6.002 29.3,6.039 29.113,6.002 28.954,5.896 28.848,5.737 28.811,5.55 28.848,5.363 28.954,5.204 29.113,5.098 29.3,5.061 29.487,5.098 29.646,5.204 29.752,5.363 29.789,5.55
  pour cut-out: 27.016,11.3 26.98,11.478 26.879,11.629 26.728,11.73 26.55,11.766 26.372,11.73 26.221,11.629 26.12,11.478 26.084,11.3 26.12,11.122 26.221,10.971 26.372,10.87 26.55,10.834 26.728,10.87 26.879,10.971 26.98,11.122 27.016,11.3
  pour cut-out: 24.839,2.016 24.802,2.204 24.696,2.362 24.537,2.468 24.35,2.505 24.163,2.468 24.004,2.362 23.898,2.204 23.861,2.016 23.898,1.829 24.004,1.671 24.163,1.565 24.35,1.527 24.537,1.565 24.696,1.671 24.802,1.829 24.839,2.016
  pour cut-out: 17.589,1.25 17.552,1.437 17.446,1.596 17.287,1.702 17.1,1.739 16.913,1.702 16.754,1.596 16.648,1.437 16.611,1.25 16.648,1.063 16.754,0.904 16.913,0.798 17.1,0.761 17.287,0.798 17.446,0.904 17.552,1.063 17.589,1.25
  pour cut-out: 15.789,9.35 15.752,9.537 15.646,9.696 15.487,9.802 15.3,9.839 15.113,9.802 14.954,9.696 14.848,9.537 14.811,9.35 14.848,9.163 14.954,9.004 15.113,8.898 15.3,8.861 15.487,8.898 15.646,9.004 15.752,9.163 15.789,9.35
  pour cut-out: 26.299,3.74 26.262,3.927 26.156,4.086 25.997,4.192 25.81,4.229 25.623,4.192 25.464,4.086 25.358,3.927 25.321,3.74 25.358,3.553 25.464,3.394 25.623,3.288 25.81,3.251 25.997,3.288 26.156,3.394 26.262,3.553 26.299,3.74
  pour cut-out: 1.339,20.6 1.302,20.787 1.196,20.946 1.037,21.052 0.85,21.089 0.663,21.052 0.504,20.946 0.398,20.787 0.361,20.6 0.398,20.413 0.504,20.254 0.663,20.148 0.85,20.111 1.037,20.148 1.196,20.254 1.302,20.413 1.339,20.6
  pour cut-out: 3.739,20.3 3.702,20.487 3.596,20.646 3.437,20.752 3.25,20.789 3.063,20.752 2.904,20.646 2.798,20.487 2.761,20.3 2.798,20.113 2.904,19.954 3.063,19.848 3.25,19.811 3.437,19.848 3.596,19.954 3.702,20.113 3.739,20.3
  pour cut-out: 4.544,35.815 4.516,36.031 4.433,36.232 4.3,36.405 4.127,36.538 3.926,36.621 3.71,36.649 3.494,36.621 3.293,36.538 3.12,36.405 2.987,36.232 2.904,36.031 2.876,35.815 2.904,35.599 2.987,35.398 3.12,35.225 3.293,35.092 3.494,35.009 3.71,34.981 3.926,35.009 4.127,35.092 4.3,35.225 4.433,35.398 4.516,35.599 4.544,35.815
  pour cut-out: 4.689,11.8 4.652,11.987 4.546,12.146 4.387,12.252 4.2,12.289 4.013,12.252 3.854,12.146 3.748,11.987 3.711,11.8 3.748,11.613 3.854,11.454 4.013,11.348 4.2,11.311 4.387,11.348 4.546,11.454 4.652,11.613 4.689,11.8
  pour cut-out: 9.698,35.815 9.667,36.05 9.576,36.269 9.432,36.457 9.244,36.601 9.025,36.692 8.79,36.723 8.555,36.692 8.336,36.601 8.148,36.457 8.004,36.269 7.913,36.05 7.882,35.815 7.913,35.58 8.004,35.361 8.148,35.173 8.336,35.029 8.555,34.938 8.79,34.907 9.025,34.938 9.244,35.029 9.432,35.173 9.576,35.361 9.667,35.58 9.698,35.815
  pour cut-out: 9.911,14.581 9.874,14.768 9.768,14.926 9.609,15.032 9.422,15.07 9.235,15.032 9.076,14.926 8.97,14.768 8.933,14.581 8.97,14.393 9.076,14.235 9.235,14.129 9.422,14.092 9.609,14.129 9.768,14.235 9.874,14.393 9.911,14.581
  pour cut-out: 10.989,6.65 10.952,6.837 10.846,6.996 10.687,7.102 10.5,7.139 10.313,7.102 10.154,6.996 10.048,6.837 10.011,6.65 10.048,6.463 10.154,6.304 10.313,6.198 10.5,6.161 10.687,6.198 10.846,6.304 10.952,6.463 10.989,6.65
  text "4" at 0.575,35.625 h1.3 r270

## Text inside footprints (layer, text, board x,y; h text height)
C57: M15-Bottom Assembly "2" at 15.375,7.225 h0.7 r90; M15-Bottom Assembly "1" at 15.375,7.85 h0.7 r90
C58: M14-Top Assembly "1" at 26.275,20.175 h1; M14-Top Assembly "2" at 27.4,20.175 h1
C59: M15-Bottom Assembly "2" at 22.35,35.725 h1 r180; M15-Bottom Assembly "1" at 21.275,35.725 h1 r180
C60: M14-Top Assembly "1" at 25.625,12.25 h0.7 r270; M14-Top Assembly "2" at 25.625,11.625 h0.7 r270
C61: M14-Top Assembly "2" at 26.975,12.225 h0.7 r180; M14-Top Assembly "1" at 27.6,12.225 h0.7 r180
C62: M14-Top Assembly "1" at 28.475,11.775 h1; M14-Top Assembly "2" at 29.6,11.775 h1
C63: M15-Bottom Assembly "2" at 15.475,10.025 h0.7 r180; M15-Bottom Assembly "1" at 14.85,10.025 h0.7 r180
C64: M15-Bottom Assembly "2" at 14.175,11.325 h0.7 r90; M15-Bottom Assembly "1" at 14.175,11.95 h0.7 r90
C65: M15-Bottom Assembly "2" at 28,35.725 h1 r180; M15-Bottom Assembly "1" at 26.925,35.725 h1 r180
C66: M15-Bottom Assembly "2" at 28.175,21.425 h0.7 r270; M15-Bottom Assembly "1" at 28.175,20.8 h0.7 r270
C67: M15-Bottom Assembly "2" at 23.625,13.225 h0.7 r180; M15-Bottom Assembly "1" at 23,13.225 h0.7 r180
C68: M15-Bottom Assembly "2" at 21.825,13.175 h0.7 r90; M15-Bottom Assembly "1" at 21.825,13.8 h0.7 r90
C69: M15-Bottom Assembly "2" at 20.575,13.175 h0.7 r90; M15-Bottom Assembly "1" at 20.575,13.8 h0.7 r90
C70: M15-Bottom Assembly "2" at 16.325,7.225 h0.7 r90; M15-Bottom Assembly "1" at 16.325,7.85 h0.7 r90
CART-8L-1: M20-Top Title Box "Project: '.Board_Name'" at -27.682,-8.933 h3; M20-Top Title Box "Rev: '.Board_PCB_Revision'" at 12.377,-24.017 h3; M20-Top Title Box "Ref: '.Board_Reference'" at 12.434,-19.017 h3; M20-Top Title Box "Date: '.Board_Document_Date'" at -27.682,-24.017 h3; M20-Top Title Box "R" at 57.814,-21.5 h1.52; M20-Top Title Box "Layer:" at -27.682,-14.017 h3; M20-Top Title Box "Gerber:" at 12.307,-14.017 h3; M20-Top Title Box "Variant: '.VariantName'" at -27.682,-19.017 h3; M21-Bottom Title Box "Variant: '.VariantName'" at 60.124,-19.017 h3; M21-Bottom Title Box "Gerber:" at 20.135,-14.017 h3; M21-Bottom Title Box "Layer:" at 60.124,-14.017 h3; M21-Bottom Title Box "R" at -24.991,-21.5 h1.52; M21-Bottom Title Box "Date: '.Board_Document_Date'" at 60.124,-24.017 h3; M21-Bottom Title Box "Ref: '.Board_Reference'" at 20.135,-19.017 h3; M21-Bottom Title Box "Rev: '.Board_PCB_Revision'" at 20.192,-24.017 h3; M21-Bottom Title Box "Project: '.Board_Name'" at 60.124,-8.933 h3
D1: M15-Bottom Assembly "C" at 27.325,10.225 h1 r270; M15-Bottom Assembly "A" at 27.325,7.875 h1 r270
D2: M14-Top Assembly "K" at 1.775,8 h1; M14-Top Assembly "K" at 1.775,9.525 h1; M14-Top Assembly "C2" at 2.4,8.175 h0.5; M14-Top Assembly "C1" at 2.45,9.675 h0.5; M14-Top Assembly "A1" at 5.025,9.7 h0.5; M14-Top Assembly "A2" at 4.975,8.175 h0.5
D3: M14-Top Assembly "C" at 10.4,5.625 h0.5; M14-Top Assembly "A" at 11.025,5.65 h0.5
D4: M14-Top Assembly "C" at 29.325,7.575 h0.5; M14-Top Assembly "A" at 29.975,7.6 h0.5
D5: M14-Top Assembly "C" at 29.35,6.375 h0.5; M14-Top Assembly "A" at 29.975,6.4 h0.5
D6: M14-Top Assembly "K" at 14.875,10.1 h1; M14-Top Assembly "A" at 17.725,10.05 h1; M14-Top Assembly "C" at 15.55,10.1 h1
D7: Top Overlay "K" at 20.725,8.625 h1.2; M14-Top Assembly "C" at 22.525,7.775 h1; M14-Top Assembly "A" at 24.325,7.775 h1
D8: M14-Top Assembly "K" at 20.525,10.1 h1; M14-Top Assembly "A" at 23.375,10.05 h1; M14-Top Assembly "C" at 21.2,10.1 h1
D9: M14-Top Assembly "K" at 26.175,10.1 h1; M14-Top Assembly "A" at 29.025,10.05 h1; M14-Top Assembly "C" at 26.85,10.1 h1
D10: M15-Bottom Assembly "C" at 16.95,25.975 h0.75 r90; M15-Bottom Assembly "A" at 16.925,24.25 h0.75 r90
D11: M15-Bottom Assembly "C" at 15.8,25.975 h0.75 r90; M15-Bottom Assembly "A" at 15.775,24.25 h0.75 r90
D12: M15-Bottom Assembly "C" at 17.375,26.1 h0.75 r180; M15-Bottom Assembly "A" at 19.1,26.075 h0.75 r180
D13: M15-Bottom Assembly "C" at 21.55,26.075 h0.75 r90; M15-Bottom Assembly "A" at 21.525,24.35 h0.75 r90
D14: M15-Bottom Assembly "C" at 30.825,22.5 h0.75; M15-Bottom Assembly "A" at 29.1,22.525 h0.75
D15: M15-Bottom Assembly "C" at 30.825,23.7 h0.75; M15-Bottom Assembly "A" at 29.1,23.725 h0.75
D16: M15-Bottom Assembly "C" at 14.52,23.175 h0.75 r90; M15-Bottom Assembly "A" at 14.495,21.45 h0.75 r90
D17: M15-Bottom Assembly "C" at 24.85,10.025 h0.75 r270; M15-Bottom Assembly "A" at 24.875,11.75 h0.75 r270
D18: M15-Bottom Assembly "C" at 22.74,10.025 h0.75 r270; M15-Bottom Assembly "A" at 22.765,11.75 h0.75 r270
D19: M15-Bottom Assembly "C" at 20.125,11.95 h0.75 r180; M15-Bottom Assembly "A" at 21.85,11.925 h0.75 r180
D20: M15-Bottom Assembly "C" at 29.675,2.525 h1 r90; M15-Bottom Assembly "A" at 29.675,4.875 h1 r90
F1: M15-Bottom Assembly "2" at 28.9,7.5 h0.75 r180; M15-Bottom Assembly "1" at 29.675,7.5 h0.75 r180
J1: M15-Bottom Assembly "1" at 29.545,8.545 h1 r270; M15-Bottom Assembly "2" at 29.545,10.37 h1 r270; M15-Bottom Assembly "3" at 29.57,12.295 h1 r270; M15-Bottom Assembly "4" at 29.545,14.145 h1 r270
J2: Top Overlay "1" at 4.856,5.441 h1.5; M14-Top Assembly "3" at 0.796,3.6 h1 r270; M14-Top Assembly "4" at 0.796,1.06 h1 r270; M14-Top Assembly "2" at 0.796,6.14 h1 r270; M14-Top Assembly "1" at 3.336,6.14 h1 r270; M14-Top Assembly "1" at 3.341,6.944 h1 r270
J3: M14-Top Assembly "1" at 17.8,0.525 h1; M14-Top Assembly "2" at 19.575,0.525 h1; M14-Top Assembly "3" at 21.5,0.55 h1; M14-Top Assembly "5" at 25.275,0.525 h1; M14-Top Assembly "4" at 23.35,0.525 h1
J4: M14-Top Assembly "4" at 14.025,5.2 h1 r270; M14-Top Assembly "3" at 14.025,6.55 h1 r270; M14-Top Assembly "2" at 14.025,7.9 h1 r270; M14-Top Assembly "1" at 14.025,9.15 h1 r270
J5: M14-Top Assembly "1" at 29.275,1.775 h1
J6: M14-Top Assembly "1" at 14.825,1.775 h1
J7: M14-Top Assembly "3" at 15.796,39.65 h1 r270; M14-Top Assembly "2" at 21.996,39.65 h1 r270; M14-Top Assembly "1" at 28.196,39.65 h1 r270
J8: M15-Bottom Assembly "3" at 21.6,7.45 h1; M15-Bottom Assembly "2" at 23.525,7.425 h1; M15-Bottom Assembly "5" at 17.825,7.425 h1; M15-Bottom Assembly "4" at 19.75,7.425 h1; M15-Bottom Assembly "1" at 25.3,7.425 h1
JP1: M14-Top Assembly "1" at 15.95,29.5 h0.5; M14-Top Assembly "2" at 16.525,29.5 h0.5
JP2: M14-Top Assembly "1" at 21.6,29.5 h0.5; M14-Top Assembly "2" at 22.175,29.5 h0.5
JP3: M14-Top Assembly "1" at 27.25,29.5 h0.5; M14-Top Assembly "2" at 27.825,29.5 h0.5
L1: M15-Bottom Assembly "1" at 26.675,25.6 h0.75 r180; M15-Bottom Assembly "2" at 25.925,25.6 h0.75 r180
L2: M14-Top Assembly "2" at 17.65,7 h1 r180; M14-Top Assembly "1" at 20.45,6.975 h1 r180
Q1: M14-Top Assembly "3" at 9.695,7.705 h1 r180; M14-Top Assembly "1" at 10.57,10.255 h1 r180; M14-Top Assembly "2" at 8.72,10.255 h1 r180
Q2: M14-Top Assembly "5" at 14.85,23.8 h1 r180; M14-Top Assembly "4" at 14.875,29.05 h1 r180; M14-Top Assembly "6" at 16.125,23.8 h1 r180; M14-Top Assembly "7" at 17.4,23.8 h1 r180; M14-Top Assembly "8" at 18.675,23.8 h1 r180; M14-Top Assembly "2" at 17.4,29.05 h1 r180; M14-Top Assembly "1" at 18.575,29.05 h1 r180; M14-Top Assembly "3" at 16.125,29.05 h1 r180
Q3: M14-Top Assembly "1" at 14.525,31.55 h1; M14-Top Assembly "8" at 14.425,36.8 h1; M14-Top Assembly "2" at 15.7,31.55 h1; M14-Top Assembly "3" at 16.975,31.55 h1; M14-Top Assembly "4" at 18.225,31.55 h1; M14-Top Assembly "7" at 15.7,36.8 h1; M14-Top Assembly "6" at 16.975,36.8 h1; M14-Top Assembly "5" at 18.25,36.8 h1